# Altium PCB STM32F429IGT6.PcbDoc (part 3 of 6) (continued)
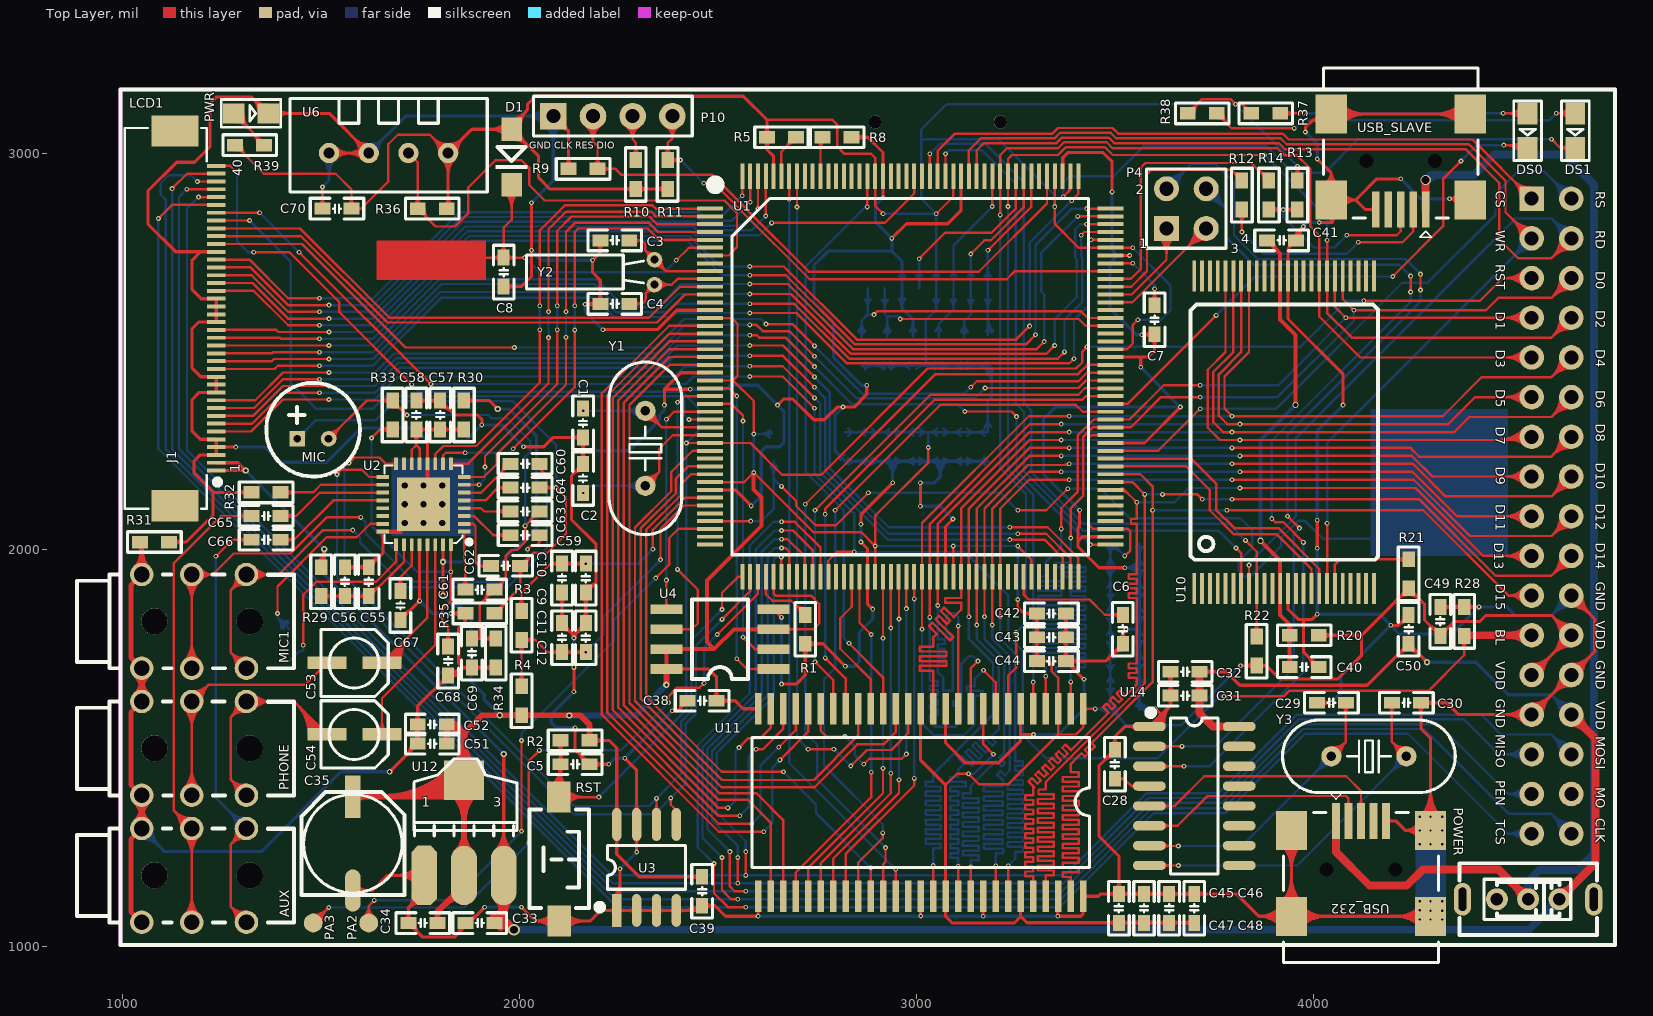
[diagram p0: Top Layer view]
## Nets (pads, with @x,y where several pads share a name; then routed paths per layer and width w, separated by ;. In a path a pad name is that pad's centre, name@x,y a point inside that pad or via, vN(x,y) a via of type N, cw(c..) or ccw(c..) an arc to the next point about the centre after c; other vN are vias at no path point) (continued)
  Bottom Layer w8: v1(1284.94,2259.06) 1358.94,2259.06 1397,2221 1514,2221 1600,2307 1736,2307 v1(1768,2275) 1865,2275 v1(1905,2315) 1955,2315 v1(2010,2260) ; v1(1503.5,2914.5) 1520,2931 U6.4@1520,3000 ; U6.4@1504.73,2984.73 cw(c1467.88,2947.88) 1520,2947.88 cw(c1572.12,2947.88) U6.4@1535.27,2984.73 ; U6.4@1510.39,2990.39 cw(c1487.19,2967.19) 1520,2967.19 cw(c1552.81,2967.19) U6.4@1529.61,2990.39 ; U6.3@1620,3000 1713,3093 P10.1@2085,3093 2085,2930 v1(2030,2875) ; U6.3@1620,3013.59 ccw(c1620,3046.4) 1643.2,3023.2 ccw(c1666.4,3000) U6.3@1633.59,3000 ; U6.3@1620,3021.59 ccw(c1620,3073.71) 1656.86,3036.86 ccw(c1693.71,3000) U6.3@1641.59,3000 ; v1(1912,1100) v1(2005,1100) ; v1(2030,2755) 2055,2730 v1(2184,2730) ; P10.1@2064.17,3113.83 cw(c2013.87,3164.13) 2013.87,3093 cw(c2013.87,3021.87) 2064.17,3072.17 cw(c2013.87,3021.87) 2085,3021.87 cw(c2156.13,3021.87) P10.1@2105.83,3072.17 ; P10.1@2069.82,3108.18 cw(c2033.18,3144.82) 2033.18,3093 cw(c2033.18,3041.18) 2069.82,3077.82 cw(c2033.18,3041.18) 2085,3041.18 cw(c2136.82,3041.18) P10.1@2100.18,3077.82 ; v1(2137,1643) 2080,1586 2080,1564 2092,1552 v1(2140,1552) ; v1(2137,1704) v1(2137,1778) ; v1(2160,2250) 2275,2250 2353,2328 2353,2340 2365,2352 v1(2365,2365) ; v1(2165,2619) 2165,2600 v1(2210,2555) ; v1(2225,1460) 2240,1475 v1(2265,1475) v1(2385,1595) ; v1(2253,1197) v1(2295,1239) ; v1(2430,2405) 2521,2405 2531,2415 2600,2415 v1(2650,2365) 2666,2349 2666,2270 2656,2260 2620,2260 2609,2249 2609,2136 v1(2584,2111) ; v1(2601.03,1077.03) v1(3168.03,1077.03) v1(3356.03,1077.03) ; v1(2660,1662) v1(2660,1830.06) ; 2797.5,2246 ccw(c2814.32,2262.82) C19.1@2818.2,2239.35 ; 2804.76,2238.74 cw(c2794.51,2228.5) C19.1@2809,2228.5 ; v1(2815,2360) 2795,2340 2795,2248.5 C19.1@2820,2223.5 C18.1@2880,2223.5 C17.1@2940,2223.5 ; v1(2821,1707) 2844,1707 2856,1719 2856,1792 2890,1826 v1(2890,1851) ; C19.1@2827.78,2215.72 cw(c2846.56,2196.94) 2846.56,2223.5 cw(c2846.56,2250.06) C19.1@2827.78,2231.28 ; v1(2860,2020) v1(2860,2065) ; C18.1@2872.22,2215.72 ccw(c2853.44,2196.94) 2853.44,2223.5 ccw(c2853.44,2250.06) C18.1@2872.22,2231.28 ; v1(2875,2415) 2861.61,2415 2791,2485.61 2791,2575 2742,2624 2742,2717 2778,2753 2938,2753 ; C18.1@2887.78,2215.72 cw(c2906.56,2196.94) 2906.56,2223.5 cw(c2906.56,2250.06) C18.1@2887.78,2231.28 ; v1(2915.65,2887.65) 2897,2869 2897,2826 v1(2938,2785) 2938,2753 ; C17.1@2932.22,2210.72 cw(c2913.44,2191.94) 2940,2191.94 cw(c2966.56,2191.94) C17.1@2947.78,2210.72 ; C17.1@2932.22,2215.72 ccw(c2913.44,2196.94) 2913.44,2223.5 ccw(c2913.44,2250.06) C17.1@2932.22,2231.28 ; v1(2940,2169) C17.1@2940,2223.5 ; C17.1@2947.78,2215.72 cw(c2966.56,2196.94) 2966.56,2223.5 cw(c2966.56,2250.06) C17.1@2947.78,2231.28 ; TF_CARD.6@2956.55,2631.43 cw(c2939.85,2614.74) 2963.46,2614.74 cw(c2987.07,2614.74) TF_CARD.6@2970.38,2631.43 ; TF_CARD.6@2956.55,2688.57 ccw(c2939.85,2705.26) 2963.46,2705.26 ccw(c2987.07,2705.26) TF_CARD.6@2970.38,2688.57 ; C36.2@2983.42,2550.28 ccw(c2964.64,2569.06) 2991.2,2569.06 ccw(c3017.76,2569.06) C36.2@2998.98,2550.28 ; C36.2@2991.2,2537.5 2991.2,2580.8 2963.46,2608.54 TF_CARD.6@2963.46,2660 2963.46,2727.54 2938,2753 ; C16.1@2992.22,2215.72 ccw(c2973.44,2196.94) 2973.44,2223.5 ccw(c2973.44,2250.06) C16.1@2992.22,2231.28 ; 3004.39,1077.03 ccw(c3004.39,1083.74) v1@3009.14,1079 ; C16.1@3007.78,2215.72 cw(c3026.56,2196.94) 3026.56,2223.5 cw(c3026.56,2250.06) C16.1@3007.78,2231.28 ; v1(3010,2110) 3060,2110 v1(3092,2078) ; v1(3010,2169) 3045,2169 3060,2184 C15.1@3060,2223.5 ; v1@3011.96,1079 ccw(c3016.71,1083.74) 3016.71,1077.03 ; C15.1@3052.22,2210.72 cw(c3033.44,2191.94) 3060,2191.94 cw(c3086.56,2191.94) C15.1@3067.78,2210.72 ; C15.1@3052.22,2215.72 ccw(c3033.44,2196.94) 3033.44,2223.5 ccw(c3033.44,2250.06) C15.1@3052.22,2231.28 ; C15.1@3067.78,2215.72 cw(c3086.56,2196.94) 3086.56,2223.5 cw(c3086.56,2250.06) C15.1@3067.78,2231.28 ; C14.1@3112.22,2215.72 ccw(c3093.44,2196.94) 3093.44,2223.5 ccw(c3093.44,2250.06) C14.1@3112.22,2231.28 ; C14.1@3127.78,2215.72 cw(c3146.56,2196.94) 3146.56,2223.5 cw(c3146.56,2250.06) C14.1@3127.78,2231.28 ; C13.1@3172.22,2215.72 ccw(c3153.44,2196.94) 3153.44,2223.5 ccw(c3153.44,2250.06) C13.1@3172.22,2231.28 ; C13.1@3180,2223.5 C14.1@3120,2223.5 C15.1@3060,2223.5 ; v1(3295,1535) 3358,1535 3422,1599 v1(3422,1674.5) ; v1(3411,2100) 3320,2191 3320,2330 3350,2360 v1(3665,2360) v1(3565,2460) ; v1(3493,2902) 3493,2754.78 3505.89,2741.89 ; v1(3525,1955) 3525.64,1955.64 C21.1@3561.5,1955.64 ; v1@3526.41,1953.59 cw(c3531.38,1948.62) 3531.38,1955.64 ; v1(3528,1800) 3560.5,1800 ; v1(3537,2741.89) 3505.89,2741.89 ; C21.1@3548.72,1947.86 ccw(c3529.94,1929.09) 3529.94,1955.64 ccw(c3529.94,1982.2) C21.1@3548.72,1963.42 ; C27.1@3553.72,1607.28 ccw(c3534.94,1626.06) 3561.5,1626.06 ccw(c3588.06,1626.06) C27.1@3569.28,1607.28 ; C26.1@3553.72,1651.08 cw(c3534.94,1632.3) 3561.5,1632.3 cw(c3588.06,1632.3) C26.1@3569.28,1651.08 ; C26.1@3553.72,1666.64 ccw(c3534.94,1685.41) 3561.5,1685.41 ccw(c3588.06,1685.41) C26.1@3569.28,1666.64 ; C25.1@3553.72,1710.44 cw(c3534.94,1691.66) 3561.5,1691.66 cw(c3588.06,1691.66) C25.1@3569.28,1710.44 ; C25.1@3553.72,1725.99 ccw(c3534.94,1744.77) 3561.5,1744.77 ccw(c3588.06,1744.77) C25.1@3569.28,1725.99 ; C24.1@3553.72,1769.79 cw(c3534.94,1751.02) 3561.5,1751.02 cw(c3588.06,1751.02) C24.1@3569.28,1769.79 ; C24.1@3553.72,1785.35 ccw(c3534.94,1804.13) 3561.5,1804.13 ccw(c3588.06,1804.13) C24.1@3569.28,1785.35 ; C23.1@3553.72,1829.15 cw(c3534.94,1810.37) 3561.5,1810.37 cw(c3588.06,1810.37) C23.1@3569.28,1829.15 ; C23.1@3553.72,1844.71 ccw(c3534.94,1863.48) 3561.5,1863.48 ccw(c3588.06,1863.48) C23.1@3569.28,1844.71 ; C22.1@3553.72,1888.51 cw(c3534.94,1869.73) 3561.5,1869.73 cw(c3588.06,1869.73) C22.1@3569.28,1888.51 ; C22.1@3553.72,1904.06 ccw(c3534.94,1922.84) 3561.5,1922.84 ccw(c3588.06,1922.84) C22.1@3569.28,1904.06 ; C21.1@3553.72,1947.86 cw(c3534.94,1929.09) 3561.5,1929.09 cw(c3588.06,1929.09) C21.1@3569.28,1947.86 ; C21.1@3553.72,1963.42 ccw(c3534.94,1982.2) 3561.5,1982.2 ccw(c3588.06,1982.2) C21.1@3569.28,1963.42 ; C20.1@3553.72,2007.22 cw(c3534.94,1988.44) 3561.5,1988.44 cw(c3588.06,1988.44) C20.1@3569.28,2007.22 ; C20.1@3561.5,2015 C21.1@3561.5,1955.64 ; v1(3568,2542) 3554,2542 3488,2608 3488,2724 3505.89,2741.89 ; C27.1@3574.28,1591.72 cw(c3593.06,1572.94) 3593.06,1599.5 cw(c3593.06,1626.06) C27.1@3574.28,1607.28 ; v1(3601.5,1599.5) C27.1@3561.5,1599.5 C26.1@3561.5,1658.86 C25.1@3561.5,1718.21 C24.1@3561.5,1777.57 C23.1@3561.5,1836.93 C22.1@3561.5,1896.29 C21.1@3561.5,1955.64 ; v1(3975,2815) 3985,2825 v1(4015,2825) ; v1(3980,3053) 4010,3023 v1(4010,2985) ; v1(4010,2004) v1(4010,1838) 4167,1838 v1(4195,1810) ; v1(4010,2075) 4010,2300 v1(4075,2365) ; v1(4045,1615) 4070,1640 4070,1685 v1(4195,1810) ; v1(4220,2935) 4270,2885 v1(4343,2885) ; LCD1.22@4623,1885 cw(c4557.82,1885) 4603.91,1838.91 cw(c4650,1792.82) LCD1.22@4650,1858 ; LCD1.22@4631,1885 cw(c4585.13,1885) 4617.56,1852.56 cw(c4650,1820.13) LCD1.22@4650,1866 ; LCD1.22@4650,1885 4600,1835 4509,1835 4487.5,1856.5 v1(4417.5,1856.5) 4349,1788 4217,1788 v1(4195,1810) ; C17.1@2940,2223.5 C16.1@3000,2223.5 C15.1@3060,2223.5
  other v1: 4268,1069 4295.2,1069 4325,1069 4295.2,1091 4325,1091 4268,1092 4268,1115 4295.2,1115 4325,1115 4268,1258 4295.2,1258 4325,1258 4268,1293 4295.2,1293 4325,1293 4268,1328 4295.2,1328 4325,1328
IIC1_SCL: U1.168
IIC1_SDA: U1.167
IIC_SCL: U1.45 U2.16 U3.6 | length 2287.7
  Top Layer w6: v1(1570,2219) 1584,2233 1647,2233 1662.59,2217.41 U2.16@1689.1,2217.41 ; v1@1570,2222 ccw(c1570,2229.24) 1575.12,2224.12 ccw(c1580.24,2219) v1@1573,2219 ; U3.6@2338.77,1344.03 ccw(c2323.73,1359.07) 2345,1359.07 ccw(c2366.27,1359.07) U3.6@2351.23,1344.03 ; v1@2342.88,1371.88 cw(c2337.76,1366.76) 2345,1366.76 cw(c2352.24,1366.76) v1@2347.12,1371.88 ; U3.6@2345,1308.27 v1(2345,1374) ; v1@2507.88,1852.12 ccw(c2502.76,1857.24) 2510,1857.24 ccw(c2517.24,1857.24) v1@2512.12,1852.12 ; v1(2510,1850) 2510,1892 2550.22,1932.22 U1.45@2561.32,1932.22
  Bottom Layer w6: v1@1567,2219 cw(c1559.76,2219) 1564.88,2213.88 cw(c1570,2208.76) v1@1570,2216 ; v1(1570,2219) 1559,2208 1559,1934 2138,1355 2326,1355 v1(2345,1374) 2407,1436 2407,1567.34 2432.45,1592.79 2432.45,1772.45 v1(2510,1850) ; v1@2342,1374 cw(c2334.76,1374) 2339.88,1368.88 cw(c2345,1363.76) v1@2345,1371 ; v1@2345,1377 ccw(c2345,1384.24) 2350.12,1379.12 ccw(c2355.24,1374) v1@2348,1374 ; v1@2507,1850 cw(c2499.76,1850) 2504.88,1844.88 cw(c2510,1839.76) v1@2510,1847
IIC_SDA: U1.46 U2.17 U3.5 | length 2264.1
  Top Layer w6: v1(1540,2190) 1552,2202 1603,2202 1621.1,2183.9 U2.17@1655.59,2183.9 ; v1@1540,2193 ccw(c1540,2200.24) 1545.12,2195.12 ccw(c1550.24,2190) v1@1543,2190 ; v1@2378.88,1372.88 cw(c2373.76,1367.76) 2381,1367.76 cw(c2388.24,1367.76) v1@2383.12,1372.88 ; v1(2381,1375) 2381,1358 U3.5@2395,1344 ; 2387.08,1351.92 cw(c2374.6,1339.43) U3.5@2392.2,1338.02 ; v1(2510,1825) 2581,1896 U1.46@2581,1932.22 ; v1@2510,1828 ccw(c2510,1835.24) 2515.12,1830.12 ccw(c2520.24,1825) v1@2513,1825
  Bottom Layer w6: v1@1537.88,2187.88 cw(c1532.76,2182.76) 1540,2182.76 cw(c1547.24,2182.76) v1@1542.12,2187.88 ; v1(1540,2190) 1540,1931 2137,1334 2340,1334 v1(2381,1375) 2419,1413 2419,1562.37 2444.45,1587.82 2444.45,1759.45 v1(2510,1825) ; v1@2378,1375 cw(c2370.76,1375) 2375.88,1369.88 cw(c2381,1364.76) v1@2381,1372 ; v1@2381,1378 ccw(c2381,1385.24) 2386.12,1380.12 ccw(c2391.24,1375) v1@2384,1375 ; v1@2507,1825 cw(c2499.76,1825) 2504.88,1819.88 cw(c2510,1814.76) v1@2510,1822
JTCK: P10.2 R9.1 U1.137 | length 1888.1
  Top Layer w6: P10.2@2165.79,3069.35 cw(c2133.01,3029) 2185,3029 ; P10.2@2169.57,3074.01 cw(c2143.25,3041.61) 2185,3041.61 cw(c2226.75,3041.61) P10.2@2200.43,3074.01 ; P10.2@2173.36,3078.67 cw(c2153.49,3054.21) 2185,3054.21 cw(c2216.51,3054.21) P10.2@2196.64,3078.67 ; P10.2@2185,3093 2185,3029 ; R9.1@2187.49,2969.01 ccw(c2165.72,2990.78) 2196.5,2990.78 ccw(c2227.28,2990.78) R9.1@2205.51,2969.01 ; R9.1@2191.73,2964.77 ccw(c2180.21,2976.29) 2196.5,2976.29 ccw(c2212.79,2976.29) R9.1@2201.27,2964.77 ; P10.2@2204.21,3069.35 ccw(c2236.99,3029) 2185,3029 ; R9.1@2205.52,2955.23 cw(c2217.04,2943.71) 2217.04,2960 cw(c2217.04,2976.29) R9.1@2205.52,2964.77 ; R9.1@2209.77,2950.99 cw(c2231.53,2929.22) 2231.53,2960 cw(c2231.53,2990.78) R9.1@2209.77,2969.01 ; U1.137@3329.04,2941.32 3329.04,2873.04 3157,2701 2729,2701 2572,2858 2572,2858.94 2485.94,2945 2257,2945 2242,2960 R9.1@2196.5,2960 2196.5,3017.5 2185,3029
JTDO: P10.3 R10.1 | length 380.2
  Top Layer w6: P10.3@2267.36,3068.16 cw(c2243.11,3034) 2285,3034 ; P10.3@2270.84,3073.05 cw(c2251.36,3045.62) 2285,3045.62 cw(c2318.64,3045.62) P10.3@2299.16,3073.05 ; P10.3@2274.31,3077.95 cw(c2259.61,3057.24) 2285,3057.24 cw(c2310.39,3057.24) P10.3@2295.69,3077.95 ; R10.1@2283.99,2995.77 ccw(c2262.22,3017.53) 2293,3017.53 ccw(c2323.78,3017.53) R10.1@2302.01,2995.77 ; P10.3@2285,3093 2285,3034 ; R10.1@2288.23,2991.52 ccw(c2276.71,3003.04) 2293,3003.04 ccw(c2309.29,3003.04) R10.1@2297.77,2991.52 ; R10.1@2293,2982.5 2293,3026 2285,3034 ; P10.3@2302.64,3068.16 ccw(c2326.89,3034) 2285,3034
JTMS: P10.4 R11.1 U1.124 | length 1732.4
  Top Layer w6: R11.1@2363.99,2995.77 ccw(c2342.22,3017.53) 2373,3017.53 ccw(c2403.78,3017.53) R11.1@2382.01,2995.77 ; R11.1@2368.23,2991.52 ccw(c2356.71,3003.04) 2373,3003.04 ccw(c2389.29,3003.04) R11.1@2377.77,2991.52 ; P10.4@2368.45,3067.42 cw(c2348.77,3037) 2385,3037 ; P10.4@2371.71,3072.46 cw(c2355.9,3048.03) 2385,3048.03 cw(c2414.1,3048.03) P10.4@2398.29,3072.46 ; P10.4@2374.97,3077.5 cw(c2363.04,3059.06) 2385,3059.06 cw(c2406.96,3059.06) P10.4@2395.03,3077.5 ; R11.1@2377.77,2977.73 cw(c2389.29,2966.21) 2389.29,2982.5 cw(c2389.29,2998.79) R11.1@2377.77,2987.27 ; R11.1@2382.01,2973.49 cw(c2403.78,2951.72) 2403.78,2982.5 cw(c2403.78,3013.28) R11.1@2382.01,2991.51 ; P10.4@2385,3093 2385,3037 ; P10.4@2401.55,3067.42 ccw(c2421.23,3037) 2385,3037 ; v1@2403.38,2980.38 ccw(c2398.26,2975.26) 2398.26,2982.5 ccw(c2398.26,2989.74) v1@2403.38,2984.62 ; v1(2405.5,2982.5) R11.1@2373,2982.5 2373,3025 2385,3037 ; v1(2464,2924) 2489.97,2924 2560,2853.97 2560,2853 2731,2682 3227.56,2682 3248.08,2702.52 U1.124@3489.09,2702.52 ; v1@2466.12,2921.88 cw(c2471.24,2916.76) 2471.24,2924 cw(c2471.24,2931.24) v1@2466.12,2926.12
  Bottom Layer w6: v1@2405.5,2979.5 cw(c2405.5,2972.26) 2410.62,2977.38 cw(c2415.74,2982.5) v1@2408.5,2982.5 ; v1(2405.5,2982.5) v1(2464,2924) ; v1@2461,2924 ccw(c2453.76,2924) 2458.88,2929.12 ccw(c2464,2934.24) v1@2464,2927
LCD_B4: J1.25 U1.173 | length 1682.2
  Top Layer w6: J1.25@1236,2672.44 1327.53,2672.44 1417.01,2582.96 v1(1520,2582.96) ; v1@1517.88,2580.84 ccw(c1512.76,2575.72) 1512.76,2582.96 ccw(c1512.76,2590.2) v1@1517.88,2585.08 ; v1@2618.25,2843.5 ccw(c2613.13,2848.62) 2620.37,2848.62 ccw(c2627.62,2848.62) v1@2622.5,2843.5 ; v1(2620.37,2841.37) U1.173@2620.37,2941.32
  Bottom Layer w6: v1(1520,2582.96) 1631.17,2582.96 1863.21,2815 2437.91,2815 2447.91,2805 2584,2805 v1(2620.37,2841.37) ; v1@1522.12,2580.84 cw(c1527.24,2575.72) 1527.24,2582.96 cw(c1527.24,2590.2) v1@1522.12,2585.08 ; v1@2617.37,2841.37 cw(c2610.13,2841.37) 2615.25,2836.25 cw(c2620.37,2831.13) v1@2620.37,2838.37
LCD_B5: J1.26 U1.174 | length 1645.9
  Top Layer w6: J1.26@1236,2692.13 1324.82,2692.13 1416.98,2599.96 v1(1496,2599.96) ; v1@1493.88,2597.84 ccw(c1488.76,2592.72) 1488.76,2599.96 ccw(c1488.76,2607.2) v1@1493.88,2602.08 ; v1@2598.57,2861.81 ccw(c2593.45,2866.93) 2600.69,2866.93 ccw(c2607.93,2866.93) v1@2602.81,2861.81 ; v1(2600.69,2859.69) U1.174@2600.69,2941.32
  Bottom Layer w6: v1(1496,2599.96) 1631.2,2599.96 1858.24,2827 2442.88,2827 2452.88,2817 2558,2817 v1(2600.69,2859.69) ; v1@1498.12,2597.84 cw(c1503.24,2592.72) 1503.24,2599.96 cw(c1503.24,2607.2) v1@1498.12,2602.08 ; v1@2597.69,2859.69 cw(c2590.45,2859.69) 2595.57,2854.57 cw(c2600.69,2849.45) v1@2600.69,2856.69
LCD_B6: J1.27 U1.175 | length 1610.7
  Top Layer w6: J1.27@1236,2711.81 1322.1,2711.81 1416.95,2616.96 v1(1520,2616.96) ; v1@1517.88,2614.84 ccw(c1512.76,2609.72) 1512.76,2616.96 ccw(c1512.76,2624.2) v1@1517.88,2619.08 ; v1@2578.88,2878.13 ccw(c2573.76,2883.25) 2581,2883.25 ccw(c2588.25,2883.25) v1@2583.13,2878.13 ; v1(2581,2876) U1.175@2581,2941.32
  Bottom Layer w6: v1(1520,2616.96) 1631.23,2616.96 1853.27,2839 2447.85,2839 2457.85,2829 2534,2829 v1(2581,2876) ; v1@1522.12,2614.84 cw(c1527.24,2609.72) 1527.24,2616.96 cw(c1527.24,2624.2) v1@1522.12,2619.08 ; v1@2578,2876 cw(c2570.76,2876) 2575.88,2870.88 cw(c2581,2865.76) v1@2581,2873
LCD_B7: J1.28 U1.176 | length 1575.5
  Top Layer w6: J1.28@1236,2731.5 1319.39,2731.5 1416.92,2633.96 v1(1496,2633.96) ; v1@1493.88,2631.84 ccw(c1488.76,2626.72) 1488.76,2633.96 ccw(c1488.76,2641.2) v1@1493.88,2636.08 ; v1@2559.2,2894.44 ccw(c2554.08,2899.56) 2561.32,2899.56 ccw(c2568.56,2899.56) v1@2563.44,2894.44 ; v1(2561.32,2892.32) U1.176@2561.32,2941.32
  Bottom Layer w6: v1(1496,2633.96) 1631.26,2633.96 1848.3,2851 2452.82,2851 2462.82,2841 2510,2841 v1(2561.32,2892.32) ; v1@1498.12,2631.84 cw(c1503.24,2626.72) 1503.24,2633.96 cw(c1503.24,2641.2) v1@1498.12,2636.08 ; v1@2558.32,2892.32 cw(c2551.08,2892.32) 2556.2,2887.2 cw(c2561.32,2882.08) v1@2561.32,2889.32
LCD_BL: J1.34 LCD1.23 R28.2 U1.56 | length 4846.6
  Top Layer w6: J1.34@1236,2849.61 v1(1345,2849.61) ; v1@1342.88,2847.48 ccw(c1337.76,2842.36) 1337.76,2849.61 ccw(c1337.76,2856.85) v1@1342.88,2851.73 ; v1@1444.61,2747 cw(c1444.61,2739.76) 1449.73,2744.88 cw(c1454.85,2750) v1@1447.61,2750 ; v1(1444.61,2750) v1(1776.61,2418) ; v1@1773.61,2418 ccw(c1766.36,2418) 1771.48,2423.12 ccw(c1776.61,2428.24) v1@1776.61,2421 ; v1(2580,2437) 2663,2437 v1(2743,2357) ; v1@2582.12,2434.88 cw(c2587.24,2429.76) 2587.24,2437 cw(c2587.24,2444.24) v1@2582.12,2439.12 ; v1@2740,2357 ccw(c2732.76,2357) 2737.88,2362.12 ccw(c2743,2367.24) v1@2743,2360 ; U1.56@2777.85,1932.22 2777.85,1972.85 2800,1995 v1(2843,1995) ; v1@2840.88,1992.88 ccw(c2835.76,1987.76) 2835.76,1995 ccw(c2835.76,2002.24) v1@2840.88,1997.12 ; v1(3775,1631) 3925,1631 3939,1645 4290,1645 4380,1735 R28.2@4380,1783.5 ; v1@3777.12,1628.88 cw(c3782.24,1623.76) 3782.24,1631 cw(c3782.24,1638.24) v1@3777.12,1633.12 ; R28.2@4370.99,1770.23 cw(c4349.22,1748.47) 4380,1748.47 cw(c4410.78,1748.47) R28.2@4389.01,1770.23 ; R28.2@4375.23,1774.48 cw(c4363.71,1762.96) 4380,1762.96 cw(c4396.29,1762.96) R28.2@4384.77,1774.48
  Top Layer w20: R28.2@4381.5,1785 LCD1.23@4550,1785 ; R28.2@4384.06,1779.44 cw(c4397.5,1766) 4397.5,1785 ; LCD1.23@4535.15,1770.15 ccw(c4499.3,1734.3) 4499.3,1785 ccw(c4499.3,1835.7) LCD1.23@4535.15,1799.85
  Bottom Layer w6: v1@1345,2846.61 cw(c1345,2839.36) 1350.12,2844.48 cw(c1355.24,2849.61) v1@1348,2849.61 ; v1(1345,2849.61) v1(1444.61,2750) ; v1@1441.61,2750 ccw(c1434.36,2750) 1439.48,2755.12 ccw(c1444.61,2760.24) v1@1444.61,2753 ; v1(1776.61,2418) 2419,2418 2438,2437 v1(2580,2437) ; v1@1778.73,2415.88 cw(c1783.85,2410.76) 1783.85,2418 cw(c1783.85,2425.24) v1@1778.73,2420.12 ; v1@2577.88,2434.88 ccw(c2572.76,2429.76) 2572.76,2437 ccw(c2572.76,2444.24) v1@2577.88,2439.12 ; v1@2740.88,2354.88 cw(c2735.76,2349.76) 2743,2349.76 cw(c2750.24,2349.76) v1@2745.12,2354.88 ; v1(2743,2357) 2743,2192 2843,2092 v1(2843,1995) 2843.18,1994.82 3099.03,1994.82 3099.21,1995 3122,1995 3231,1886 3231,1782 3268,1745 3268,1533 3326,1475 3607,1475 3763,1631 v1(3775,1631) ; v1@2840.88,1997.12 ccw(c2835.76,2002.24) 2843,2002.24 ccw(c2850.24,2002.24) 2845.12,1997.12 ccw(c2850.69,2002.69) 2850.69,1994.82 ; v1@2845.12,1992.88 cw(c2849.8,1988.2) 2849.8,1994.82 ; v1@3772.88,1628.88 ccw(c3767.76,1623.76) 3767.76,1631 ccw(c3767.76,1638.24) v1@3772.88,1633.12
LCD_G2: J1.14 U1.128 | length 2776.6
  Top Layer w6: J1.14@1236,2455.91 1382.91,2455.91 1390.96,2463.96 v1(1496,2463.96) ; v1@1493.88,2461.84 ccw(c1488.76,2456.72) 1488.76,2463.96 ccw(c1488.76,2471.2) v1@1493.88,2466.08 ; v1(2580,2597) 2698,2597 2825,2470 3385,2470 v1(3397,2482) ; v1@2582.12,2594.88 cw(c2587.24,2589.76) 2587.24,2597 cw(c2587.24,2604.24) v1@2582.12,2599.12 ; v1@3394,2482 cw(c3386.76,2482) 3391.88,2476.88 cw(c3397,2471.76) v1@3397,2479 ; v1(3440.26,2781.26) U1.128@3489.09,2781.26 ; v1@3442.38,2779.14 cw(c3447.5,2774.02) 3447.5,2781.26 cw(c3447.5,2788.5) v1@3442.38,2783.38
  Bottom Layer w6: v1(1496,2463.96) 1630.96,2463.96 1802,2635 2190.09,2635 2238.09,2587 2382,2587 2392,2597 v1(2580,2597) v1@2578,2595 ; v1@1498.12,2461.84 cw(c1503.24,2456.72) 1503.24,2463.96 cw(c1503.24,2471.2) v1@1498.12,2466.08 ; v1@2577.88,2594.88 ccw(c2572.76,2589.76) 2572.76,2597 ccw(c2572.76,2604.24) v1@2577.88,2599.12 ; v1@3394.88,2484.12 ccw(c3389.76,2489.24) 3397,2489.24 ccw(c3404.24,2489.24) v1@3399.12,2484.12 ; v1(3397,2482) 3397,2579 3432,2614 3432,2773 v1(3440.26,2781.26) ; v1@3437.26,2781.26 cw(c3430.02,2781.26) 3435.14,2776.14 cw(c3440.26,2771.02) v1@3440.26,2778.26
LCD_G3: J1.15 U1.129 | length 2774.2
  Top Layer w6: J1.15@1236,2475.59 1375.59,2475.59 1380.96,2480.96 v1(1520,2480.96) ; v1@1517.88,2478.84 ccw(c1512.76,2473.72) 1512.76,2480.96 ccw(c1512.76,2488.2) v1@1517.88,2483.08 ; v1(2580,2620) 2691.97,2620 2829.97,2482 3356,2482 v1(3373,2499) ; v1@2582.12,2617.88 cw(c2587.24,2612.76) 2587.24,2620 cw(c2587.24,2627.24) v1@2582.12,2622.12 ; v1@3370,2499 cw(c3362.76,2499) 3367.88,2493.88 cw(c3373,2488.76) v1@3373,2496 ; v1(3415,2793) 3422.94,2800.94 U1.129@3489.09,2800.94
  Bottom Layer w6: v1(1520,2480.96) 1630.99,2480.96 1800.03,2650 2192.06,2650 2243.06,2599 2371,2599 2392,2620 v1(2580,2620) ; v1@1522.12,2478.84 cw(c1527.24,2473.72) 1527.24,2480.96 cw(c1527.24,2488.2) v1@1522.12,2483.08 ; v1@2577.88,2617.88 ccw(c2572.76,2612.76) 2572.76,2620 ccw(c2572.76,2627.24) v1@2577.88,2622.12 ; v1@3370.88,2501.12 ccw(c3365.76,2506.24) 3373,2506.24 ccw(c3380.24,2506.24) v1@3375.12,2501.12 ; v1(3373,2499) 3373,2580 3418,2625 3418,2736.2 3415,2739.2 v1(3415,2793) ; v1@3412.88,2790.88 cw(c3407.76,2785.76) 3415,2785.76 cw(c3422.24,2785.76) v1@3417.12,2790.88
LCD_G4: J1.16 U1.130 | length 2797.3
  Top Layer w6: J1.16@1236,2495.28 1376.28,2495.28 1378.96,2497.96 v1(1496,2497.96) ; v1@1493.88,2495.84 ccw(c1488.76,2490.72) 1488.76,2497.96 ccw(c1488.76,2505.2) v1@1493.88,2500.08 ; v1(2580,2645) 2683.94,2645 2834.94,2494 3327,2494 v1(3348,2515) ; v1@2582.12,2642.88 cw(c2587.24,2637.76) 2587.24,2645 cw(c2587.24,2652.24) v1@2582.12,2647.12 ; v1@3345,2515 cw(c3337.76,2515) 3342.88,2509.88 cw(c3348,2504.76) v1@3348,2512 ; v1(3428.63,2820.63) U1.130@3489.09,2820.63 ; v1@3430.75,2818.51 cw(c3435.87,2813.39) 3435.87,2820.63 cw(c3435.87,2827.87) v1@3430.75,2822.75
  Bottom Layer w6: v1(1496,2497.96) 1631.02,2497.96 1803.06,2670 2189.03,2670 2248.03,2611 2366,2611 2400,2645 v1(2580,2645) ; v1@1498.12,2495.84 cw(c1503.24,2490.72) 1503.24,2497.96 cw(c1503.24,2505.2) v1@1498.12,2500.08 ; v1@2577.88,2642.88 ccw(c2572.76,2637.76) 2572.76,2645 ccw(c2572.76,2652.24) v1@2577.88,2647.12 ; v1@3345.88,2517.12 ccw(c3340.76,2522.24) 3348,2522.24 ccw(c3355.24,2522.24) v1@3350.12,2517.12 ; v1(3348,2515) 3348,2581 3404,2637 3404,2733.23 3400,2737.23 3400,2808 3412.63,2820.63 v1(3428.63,2820.63) ; v1@3426.51,2818.51 ccw(c3421.39,2813.39) 3421.39,2820.63 ccw(c3421.39,2827.87) v1@3426.51,2822.75
LCD_G5: J1.17 U1.131 | length 2805.6
  Top Layer w6: J1.17@1236,2514.96 v1(1520,2514.96) ; v1@1517.88,2512.84 ccw(c1512.76,2507.72) 1512.76,2514.96 ccw(c1512.76,2522.2) v1@1517.88,2517.08 ; v1(2580,2670) 2675.91,2670 2839.91,2506 3303,2506 v1(3322,2525) ; v1@2582.12,2667.88 cw(c2587.24,2662.76) 2587.24,2670 cw(c2587.24,2677.24) v1@2582.12,2672.12 ; v1@3319,2525 cw(c3311.76,2525) 3316.88,2519.88 cw(c3322,2514.76) v1@3322,2522 ; v1(3406.32,2840.32) U1.131@3489.09,2840.32 ; v1@3408.44,2838.19 cw(c3413.56,2833.07) 3413.56,2840.32 cw(c3413.56,2847.56) v1@3408.44,2842.44
  Bottom Layer w6: v1(1520,2514.96) 1631.05,2514.96 1798.09,2682 2194,2682 2253,2623 2360,2623 2407,2670 v1(2580,2670) ; v1@1522.12,2512.84 cw(c1527.24,2507.72) 1527.24,2514.96 cw(c1527.24,2522.2) v1@1522.12,2517.08 ; v1@2577.88,2667.88 ccw(c2572.76,2662.76) 2572.76,2670 ccw(c2572.76,2677.24) v1@2577.88,2672.12 ; v1@3319.88,2527.12 ccw(c3314.76,2532.24) 3322,2532.24 ccw(c3329.24,2532.24) v1@3324.12,2527.12 ; v1(3322,2525) 3322,2643 3314,2651 3314,2748 v1(3406.32,2840.32) ; v1@3403.32,2840.32 cw(c3396.07,2840.32) 3401.19,2835.19 cw(c3406.32,2830.07) v1@3406.32,2837.32
LCD_G6: J1.18 U1.132 | length 2829.7
  Top Layer w6: J1.18@1236,2534.65 1396.35,2534.65 1399.04,2531.96 v1(1496,2531.96) ; v1@1493.88,2529.84 ccw(c1488.76,2524.72) 1488.76,2531.96 ccw(c1488.76,2539.2) v1@1493.88,2534.08 ; v1(2580,2692) 2670.88,2692 2844.88,2518 3276,2518 v1(3300,2542) ; v1@2582.12,2689.88 cw(c2587.24,2684.76) 2587.24,2692 cw(c2587.24,2699.24) v1@2582.12,2694.12 ; v1@3297,2542 cw(c3289.76,2542) 3294.88,2536.88 cw(c3300,2531.76) v1@3300,2539 ; v1(3429,2860) U1.132@3489.09,2860 ; v1@3431.12,2857.88 cw(c3436.24,2852.76) 3436.24,2860 cw(c3436.24,2867.24) v1@3431.12,2862.12
  Bottom Layer w6: v1(1496,2531.96) 1631.08,2531.96 1878.12,2779 2423,2779 2510,2692 v1(2580,2692) ; v1@1498.12,2529.84 cw(c1503.24,2524.72) 1503.24,2531.96 cw(c1503.24,2539.2) v1@1498.12,2534.08 ; v1@2577.88,2689.88 ccw(c2572.76,2684.76) 2572.76,2692 ccw(c2572.76,2699.24) v1@2577.88,2694.12 ; v1@3297.88,2544.12 ccw(c3292.76,2549.24) 3300,2549.24 ccw(c3307.24,2549.24) v1@3302.12,2544.12 ; v1(3300,2542) 3300,2768 3392,2860 v1(3429,2860) ; v1@3426.88,2857.88 ccw(c3421.76,2852.76) 3421.76,2860 ccw(c3421.76,2867.24) v1@3426.88,2862.12